# Altium PCB 三点震荡v1.PcbDoc
Units mil, origin at the board's own origin, x right, y up, seen from the top; angles counter-clockwise.
Board outline 4527.56 x 921 mil, 2 copper layers (Top Layer, Bottom Layer); 116 components, 66 nets, 306 pads, 94 vias.
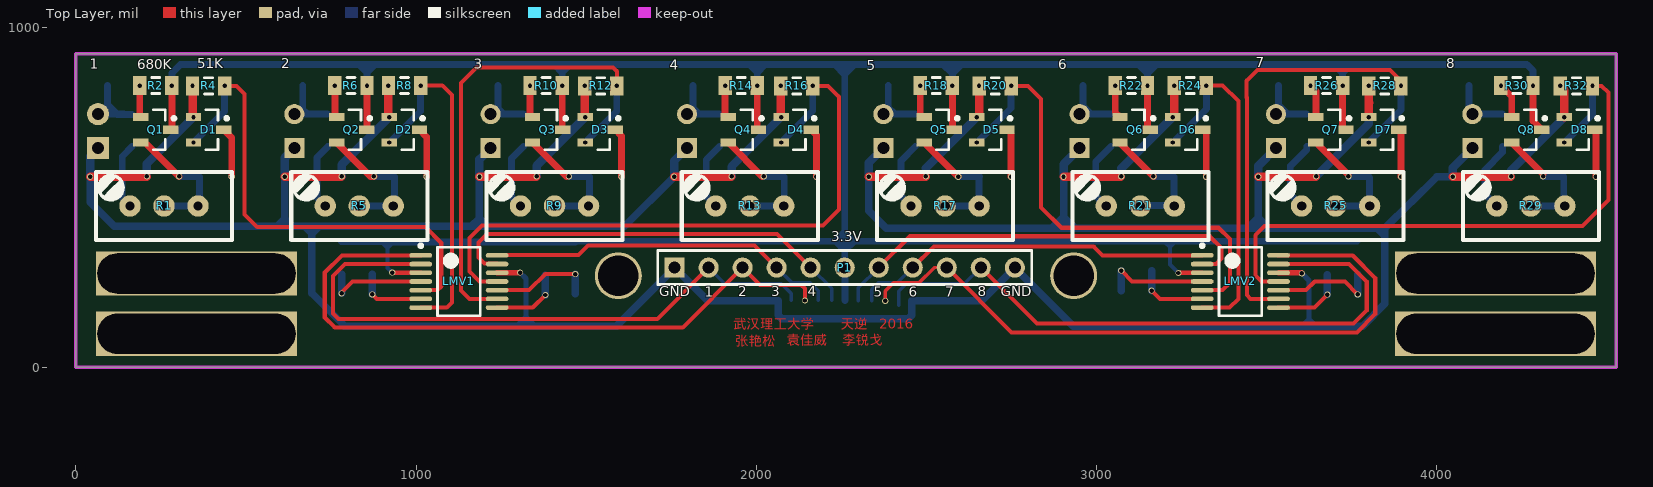
[diagram p0: Top Layer view]
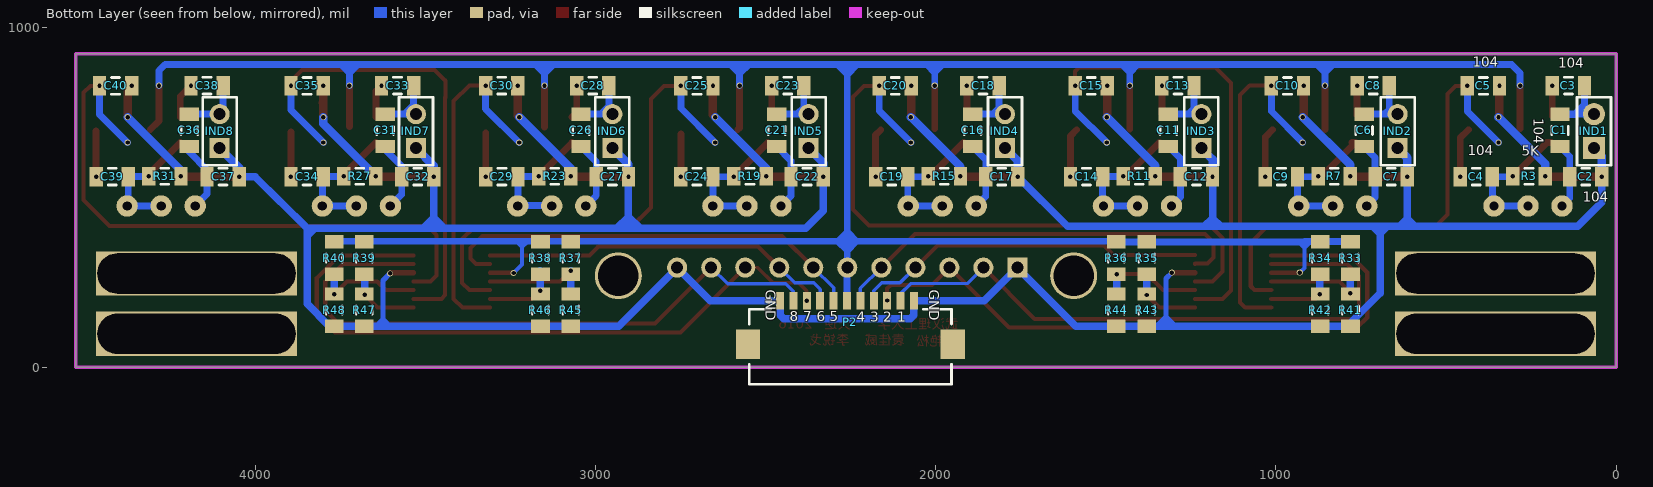
[diagram p1: Bottom Layer view, seen from below]

## Layer stack, top to bottom
Top Layer: signal copper 1.4
Dielectric: dielectric 12.6, FR-4, Dk 4.8
Bottom Layer: signal copper 1.4

## Board outline
0,0 4527.56,0 4527.56,921 0,921

## Design rules (kind name [scope] priority, off if disabled: settings)
Clearance [All] p1: gap=10
PolygonConnect [All] p1: connectstyle=Relief reliefconductorwidth=10 reliefentries=4 polygonreliefangle="90 Angle" airgapwidth=10
RoutingVias [All] p1: holewidth=28 width=50 viastyle="Through Hole" minholewidth=28 minwidth=50 maxholewidth=28 maxwidth=50
SolderMaskExpansion [All] p1: expansion=4
Width [All] p1: maxlimit=50 minlimit=6 preferedwidth=23 minimp=50.000000 maximp=50.000000 favimp=50.000000
28 further rules are at their usual default settings.

## Components (designator, comment, footprint, x,y, rotation, side; value= is the part's Value field where it differs from the comment)
C1 "Cap" C2012 165,696 r270 bottom
C2 "Cap" C2012 89,560 r180 bottom
C3 "Cap" C2012 140,828 r180 bottom
C4 "Cap" c2012 411,560 r0 bottom
C5 "Cap" c2012 390,827 r180 bottom
C6 "Cap" C2012 740.57,696 r270 bottom
C7 "Cap" C2012 661.29,560 r180 bottom
C8 "Cap" C2012 714,828 r180 bottom
C9 "Cap" C2012 983.86,560 r0 bottom
C10 "Cap" c2012 966,827 r180 bottom
C11 "Cap" C2012 1316.14,696 r270 bottom
C12 "Cap" C2012 1233.57,560 r180 bottom
C13 "Cap" C2012 1288,828 r180 bottom
C14 "Cap" C2012 1556.71,560 r0 bottom
C15 "Cap" c2012 1543,827 r180 bottom
C16 "Cap" C2012 1891.71,696 r270 bottom
C17 "Cap" C2012 1805.86,560 r180 bottom
C18 "Cap" C2012 1861,828 r180 bottom
C19 "Cap" C2012 2129.57,560 r0 bottom
C20 "Cap" c2012 2119,827 r180 bottom
C21 "Cap" C2012 2467.29,696 r270 bottom
C22 "Cap" C2012 2378.14,560 r180 bottom
C23 "Cap" C2012 2435,828 r180 bottom
C24 "Cap" C2012 2702,560 r0 bottom
C25 "Cap" c2012 2702,827 r180 bottom
C26 "Cap" C2012 3042.86,696 r270 bottom
C27 "Cap" C2012 2950.43,560 r180 bottom
C28 "Cap" C2012 3008,828 r180 bottom
C29 "Cap" C2012 3275.28,560 r0 bottom
C30 "Cap" c2012 3276,828 r180 bottom
C31 "Cap" C2012 3618.43,696 r270 bottom
C32 "Cap" C2012 3522.71,560 r180 bottom
C33 "Cap" C2012 3582,828 r180 bottom
C34 "Cap" C2012 3848.14,560 r0 bottom
C35 "Cap" c2012 3848,827 r180 bottom
C36 "Cap" C2012 4194,696 r270 bottom
C37 "Cap" C2012 4095,560 r180 bottom
C38 "Cap" C2012 4142,828 r180 bottom
C39 "Cap" C2012 4421,560 r0 bottom
C40 "Cap" c2012 4411,827 r180 bottom
D1 "Diac-NPN" SOT23_N 390,698 r0 top
D2 "Diac-NPN" SOT23_N 965.71,698 r0 top
D3 "Diac-NPN" SOT23_N 1541.43,698 r0 top
D4 "Diac-NPN" SOT23_N 2117.14,698 r0 top
D5 "Diac-NPN" SOT23_N 2692.86,698 r0 top
D6 "Diac-NPN" SOT23_N 3268.57,698 r0 top
D7 "Diac-NPN" SOT23_N 3844.29,698 r0 top
D8 "Diac-NPN" SOT23_N 4420,698 r0 top
IND1 "Header 2" HDR1X2#1 65,644 r90 bottom
IND2 "Header 2" HDR1X2#2 642.14,644 r90 bottom
IND3 "Header 2" HDR1X2#2 1219.29,644 r90 bottom
IND4 "Header 2" HDR1X2#2 1796.43,644 r90 bottom
IND5 "Header 2" HDR1X2#2 2373.57,644 r90 bottom
IND6 "Header 2" HDR1X2#2 2950.71,644 r90 bottom
IND7 "Header 2" HDR1X2#2 3527.86,644 r90 bottom
IND8 "Header 2" HDR1X2#2 4105,644 r90 bottom
LMV1 "LMV339" "LMV339 TSSOP14" 1126,252 r0 top
LMV2 "LMV339" "LMV339 TSSOP14" 3423,252 r0 top
P1 "Header 11" HDR1X11 1760,293 r0 top
P2 "Header 11" FFC/SM1.0-2H11 2251,132 r180 bottom
Q1 "NPN" SOT23_N 235,698 r0 top
Q2 "NPN" SOT23_N 810.71,698 r0 top
Q3 "NPN" SOT23_N 1386.43,698 r0 top
Q4 "NPN" SOT23_N 1962.14,698 r0 top
Q5 "NPN" SOT23_N 2537.86,698 r0 top
Q6 "NPN" SOT23_N 3113.57,698 r0 top
Q7 "NPN" SOT23_N 3689.29,698 r0 top
Q8 "NPN" SOT23_N 4265,698 r0 top
R1 "RPot" pot（长方形） 358,463 r180 top
R2 "Res2" r2012 235,828 r0 top
R3 "Res2" R2012 256,561 r0 bottom
R4 "Res2" R2012 390,827 r0 top
R5 "RPot" pot（长方形） 932,463 r180 top
R6 "Res2" R2012 808.57,828 r0 top
R7 "Res2" R2012 828.86,561 r0 bottom
R8 "Res2" R2012 966,828 r0 top
R9 "RPot" pot（长方形） 1506,463 r180 top
R10 "Res2" r2012 1382.14,828 r0 top
R11 "Res2" R2012 1401.71,561 r0 bottom
R12 "Res2" R2012 1542.86,827 r0 top
R13 "RPot" pot（长方形） 2080,463 r180 top
R14 "Res2" r2012 1955.71,828 r0 top
R15 "Res2" R2012 1974.57,561 r0 bottom
R16 "Res2" R2012 2119.29,827 r0 top
R17 "RPot" pot（长方形） 2654,463 r180 top
R18 "Res2" r2012 2529.29,828 r0 top
R19 "Res2" R2012 2546,561 r0 bottom
R20 "Res2" R2012 2702.29,827 r0 top
R21 "RPot" pot（长方形） 3228,463 r180 top
R22 "Res2" r2012 3102.86,828 r0 top
R23 "Res2" R2012 3120.29,561 r0 bottom
R24 "Res2" R2012 3275.86,828 r0 top
R25 "RPot" pot（长方形） 3802,463 r180 top
R26 "Res2" r2012 3676.43,828 r0 top
R27 "Res2" R2012 3693.14,561 r0 bottom
R28 "Res2" R2012 3847.43,827 r0 top
R29 "RPot" pot（长方形） 4376,463 r180 top
R30 "Res2" r2012 4236,828 r0 top
R31 "Res2" R2012 4266,561 r0 bottom
R32 "Res2" R2012 4411,827 r0 top
R33 "Res" R2012 781,321 r270 bottom
R34 "Res" R2012 870,321 r270 bottom
R35 "Res" R2012 1380,321 r270 bottom
R36 "Res" R2012 1469,321 r270 bottom
R37 "Res" R2012 3073,321 r270 bottom
R38 "Res" R2012 3162,321 r270 bottom
R39 "Res" R2012 3680,321 r270 bottom
R40 "Res" R2012 3768,321 r270 bottom
R41 "Res" R2012 781,168 r270 bottom
R42 "Res" R2012 870,168 r270 bottom
R43 "Res" R2012 1380,168 r270 bottom
R44 "Res" R2012 1469,168 r270 bottom
R45 "Res" R2012 3073,168 r270 bottom
R46 "Res" R2012 3162,168 r270 bottom
R47 "Res" R2012 3680,168 r270 bottom
R48 "Res" R2012 3768,168 r270 bottom

## Footprints (in the part's own frame and the unit in brackets; to place one, negate y for a bottom-side part, rotate by r counter-clockwise, add the part's x,y. Pads: shape width x height; smd on the part's side, far side on the other; paste and mask are expansions set on the pad)
C2012 [mm] "Chip Capacitor, 2-Leads, Body 2.0x1.2mm, IPC Low Density"
  rect 1x1.45 smd: 1(-1.2,0) 2(1.2,0)
  silkscreen extent -0.3,-0.63 0.3,0.63, body extent -0.98,-0.6 1.02,0.6, height 0.5
c2012 [mm] "Chip Capacitor, 2-Leads, Body 2.0x1.2mm, IPC Low Density"
  rect 1x1.45 smd: 1(-1.2,0) 2(1.2,0)
  silkscreen extent -0.3,-0.63 0.3,0.63, body extent -0.98,-0.6 1.02,0.6, height 0.5
FFC/SM1.0-2H11 [mm] "Connector; FH12 Series; 11 Position; 1.0mm Spaced Bottom Eccentric Contact"
  rect 0.6x1.3 smd: 1(-5.25,1.625) 2(-4.25,1.625) 3(-3.25,1.625) 4(-2.25,1.625) 5(-1.25,1.625) 6(-0.25,1.625) 7(0.75,1.625) 8(1.75,1.625) 9(2.75,1.625) 10(3.75,1.625) 11(4.75,1.625)
  rect 1.8x2.2 smd: 12(7.65,-1.625) 13(-7.65,-1.625)
  silkscreen extent -7.55,-4.62 7.55,1.75, body extent -7.55,-4.62 7.55,0.97, height 2
HDR1X2#1 [mil] "Connector; Header; 2 Position"
  rect 65x65 hole 35.43: 1(0,0)
  round 65 hole 35.43: 2(100,0)
  silkscreen extent -50,-50 150,50, body extent -50,-50 150,50, height 298
HDR1X2#2 [mil] "Connector; Header; 2 Position"
  rect 59.06x59.06 hole 35.43: 1(0,0)
  round 59.06 hole 35.43: 2(100,0)
  silkscreen extent -50,-50 150,50, body extent -50,-50 150,50, height 298
HDR1X11 [mm] "Connector; Header; 11 Position"
  rect 1.5x1.5 hole 0.9: 1(0,0)
  round 1.5 hole 0.9: 2(2.54,0) 3(5.08,0) 4(7.62,0) 5(10.16,0) 6(12.7,0) 7(15.24,0) 8(17.78,0) 9(20.32,0) 10(22.86,0) 11(25.4,0)
  silkscreen extent -1.27,-1.27 26.67,1.27, body extent -1.27,-1.27 26.67,1.27, height 7.58
"LMV339 TSSOP14" [mm] "TSOP, 14-Leads, Body 5.00x4.40mm, Pitch 0.65mm, IPC Medium Density"
  oval 1.7x0.35 smd: 1(-2.85,1.95) 2(-2.85,1.3) 3(-2.85,0.65) 4(-2.85,0) 5(-2.85,-0.65) 6(-2.85,-1.3) 7(-2.85,-1.95) 8(2.85,-1.95) 9(2.85,-1.3) 10(2.85,-0.65) 11(2.85,0) 12(2.85,0.65) 13(2.85,1.3) 14(2.85,1.95)
  silkscreen extent -2.97,-2.55 1.6,2.8, body extent -2.25,-2.55 2.25,2.55, height 1.2
pot（长方形） [mm]
  round 1.6 hole 0.7: 1(5.055,-0.279) 2(2.515,-0.279) 3(-0.025,-0.279)
  silkscreen extent -2.57,-2.82 7.59,2.26
r2012 [mm] "Chip Resistor, 2-Leads, Body 2.0x1.2mm, IPC Low Density"
  rect 1x1.4 smd: 1(-1.2,0) 2(1.2,0)
  silkscreen extent -0.3,-0.6 0.3,0.6, body extent -0.98,-0.6 1.02,0.6, height 0.5
R2012 [mm] "Chip Resistor, 2-Leads, Body 2.0x1.2mm, IPC Low Density"
  rect 1x1.4 smd: 1(-1.2,0) 2(1.2,0)
  silkscreen extent -0.3,-0.6 0.3,0.6, body extent -0.98,-0.6 1.02,0.6, height 0.5
SOT23_N [mm] "SOT23, 3-Leads, Body 2.9x1.3mm, Pitch 0.95mm, Lead Span 2.3mm - Reverse Pinning, IPC Medium Density"
  rect 1.15x0.6 smd: 1(1.125,0) 2(-1.125,-0.95) 3(-1.125,0.95)
  silkscreen extent -0.2,-1.5 1.48,1.5, body extent -0.7,-1.5 0.7,1.5, height 1.1

## Part data
C1 C2 C3 C4 C5 C6 C7 C8 C9 C10 C11 C12 C13 C14 C15 C16 C17 C18 C19 C20 C21 C22 C23 C24 C25 C26 C27 C28 C29 C30 C31 C32 C33 C34 C35 C36 C37 C38 C39 C40: "Capacitor"
D1 D2 D3 D4 D5 D6 D7 D8: "DIAC"
IND1 IND2 IND3 IND4 IND5 IND6 IND7 IND8: "Header, 2-Pin"
P1 P2: "Header, 11-Pin"
Q1 Q2 Q3 Q4 Q5 Q6 Q7 Q8: "NPN Bipolar Transistor"
R1 R5 R9 R13 R17 R21 R25 R29: "Potentiometer"
R2 R3 R4 R6 R7 R8 R10 R11 R12 R14 R15 R16 R18 R19 R20 R22 R23 R24 R26 R27 R28 R30 R31 R32: "Resistor"
R33 R34 R35 R36 R37 R38 R39 R40 R41 R42 R43 R44 R45 R46 R47 R48: "贴片电阻"

## Free pads (board coordinates)
  rect 590.55x129.92 hole 118.11 slot 582.68 at 0 deg: 0(354.33,98.43) 0(354.33,275.59) 0(4173.23,98.43) 0(4173.23,275.59)
  round 137.8 hole 118.11: 0(1594.49,269) 1(2933.07,269)

## Via types
v1: diameter 18, hole 13, Top Layer to Bottom Layer, 94 vias

## Nets (pads, with @x,y where several pads share a name; then routed paths per layer and width w, separated by ;. In a path a pad name is that pad's centre, name@x,y a point inside that pad or via, vN(x,y) a via of type N, cw(c..) or ccw(c..) an arc to the next point about the centre after c; other vN are vias at no path point)
BASE1: C3.1 Q1.3 R2.1 | length 89.6
  Top Layer w20: Q1.3@187.76,738.35 v1(187.76,828)
BASE2: C8.1 Q2.3 R6.1 | length 87.5
  Top Layer w20: Q2.3@761.33,740.5 v1(761.33,828)
BASE3: C13.1 Q3.3 R10.1 | length 85.4
  Top Layer w20: Q3.3@1334.9,742.64 v1(1334.9,828)
BASE4: C18.1 Q4.3 R14.1 | length 83.2
  Top Layer w20: Q4.3@1908.47,744.78 v1(1908.47,828)
BASE5: C23.1 Q5.3 R18.1 | length 81.3
  Top Layer w20: Q5.3@2482.24,746.72 v1(2482.24,828)
BASE6: C28.1 Q6.3 R22.1 | length 98.4
  Top Layer w20: v1(3055.24,828) 3055.24,749.44 Q6.3
BASE7: C33.1 Q7.3 R26.1 | length 76.8
  Top Layer w20: Q7.3 R26.1@3644.99,812.25
  other v1: 3629.24,828
BASE8: C38.1 Q8.3 R30.1 | length 105.6
  Top Layer w20: v1(4189.24,828) 4220.71,796.54 Q8.3
EMITTER1: C4.1 Q1.2 R1.2 R1.3 R3.2 | length 401.3
  Top Layer w20: Q1.2 203.65,660.6 v1(303.24,561)
  Bottom Layer w20: R1.2 R1.3 363.76,478.76 C4.1 R3.2@304.24,560
EMITTER2: C9.1 Q2.2 R5.2 R5.3 R7.2 | length 408
  Top Layer w20: Q2.2@776.5,660.6 Q2.2 866.02,561 v1(876.1,561)
  Bottom Layer w20: R5.2 R5.3 936.61,477.61 C9.1 R7.2@877.1,560
EMITTER3: C14.1 Q3.2 R9.2 R9.3 R11.2 | length 387.4
  Top Layer w20: Q3.2 v1@1441.74,561
  Bottom Layer w20: R9.2 R9.3 1509.47,476.47 C14.1 ; v1(1448.96,561) C14.1@1508.47,561
EMITTER4: C19.1 Q4.2 R13.2 R13.3 R15.2 | length 386.9
  Top Layer w20: Q4.2 v1@2017.45,561
  Bottom Layer w20: R13.2 R13.3 2082.33,475.33 C19.1 R15.2@2022.82,560
  other v1: 2021.82,561
EMITTER5: C24.1 Q5.2 R17.2 R17.3 R19.2 | length 390.2
  Top Layer w20: Q5.2 v1@2593.69,560.48
  Bottom Layer w20: R17.2 R17.3 2655,559.82 C24.1@2656.17,560.98 ; v1(2593.69,560.02) C24.1
EMITTER6: C29.1 Q6.2 R21.2 R21.3 R23.2 | length 382.9
  Top Layer w20: Q6.2 3069.28,659.25 v1(3167.53,561)
  Bottom Layer w20: R21.2@3129.96,474.96 3228.04,474.96 C29.1 ; v1(3167.53,561) C29.1@3227.04,561
EMITTER7: C34.1 Q7.2 R25.2 R25.3 R27.2 | length 382.7
  Top Layer w20: Q7.2 v1@3740.39,565.21
  Bottom Layer w20: R25.2 R25.3 3803,557.9 C34.1 3799.9,561 v1(3740.39,561)
EMITTER8: C39.1 Q8.2 R29.2 R29.3 R31.2 | length 373.1
  Top Layer w20: Q8.2 v1@4313.24,568.06
  Bottom Layer w20: R29.2 R29.3 ; v1(4313.24,561) C39.1@4372.75,561 ; R29.3@4373.75,477.25 C39.1
GND: C2.2 C5.2 C7.2 C10.2 C12.2 C15.2 C17.2 C20.2 C22.2 C25.2 C27.2 C30.2 C32.2 C35.2 C37.2 C40.2 D1.3 D2.3 D3.3 D4.3 D5.3 D6.3 D7.3 D8.3 IND1.1 IND2.1 IND3.1 IND4.1 IND5.1 IND6.1 IND7.1 IND8.1 LMV1.12 LMV2.12 P1.1 P1.11 P2.1 P2.11 R3.1 R4.1 R7.1 R8.1 R11.1 R12.1 R15.1 R16.1 R19.1 R20.1 R23.1 R24.1 R27.1 R28.1 R31.1 R32.1 R41.2 R42.2 R43.2 R44.2 R45.2 R46.2 R47.2 R48.2 | length 13998.3
  Top Layer w15: LMV1.12 v1@1305.59,277.59 ; LMV2.12 v1@3604,277.59
  Top Layer w25: v1(41.76,560) v1@207.76,560 ; D1.3@342.76,738.35 v1(342.76,827) ; v1(614.04,560) v1@780.61,560 ; D2.3@918.76,738.07 v1(918.76,828) ; v1(1186.33,560) v1@1353.47,560 ; D3.3@1495.61,736.93 v1(1495.61,827) ; v1(1758.61,560) v1@1926.33,560 ; D4.3@2071.76,736.5 v1(2071.76,827) ; v1(2330.9,560) v1@2497.76,560 ; D5.3@2654.76,741.59 v1(2654.76,827) ; v1(2903.18,560) v1@3072.04,560 ; D6.3@3228.76,739.88 v1(3228.76,828) ; v1(3475.47,560) v1@3644.9,560 ; D7.3@3800.76,736.16 3800.76,778 ; v1(3800.76,827) 3800.76,778 ; 3801.81,776.94 3800.76,778 ; v1(4047.76,560) v1@4217.76,560 ; v1(4363.76,827) 4375.71,815.05 v1(4375.71,735.4)
  Bottom Layer w15: 1296.09,121.09 1323,148 ; v1(1306,278) 1323,261 1323,148 ; 1323,121 1323,148 ; 1348.5,122.5 1323,148 ; v1(3604,276) 3625,255 3625,141 ; 3605,121 3625,141 ; 3625,125 3625,141 ; 3644,122 3625,141
  Bottom Layer w22: v1(41.76,560) 41.76,485.24 113,414 592.04,414 ; 614.04,423 614.04,436 ; v1(614.04,560) 614.04,436 ; 1186.33,421.5 1186.33,438 ; v1(1186.33,560) 1186.33,438 ; 1296,121 1323,121 1588,121 P1.1 1857.02,195.98 P2.11 2063.99,153.01 2075,142 2447,142 2457.69,152.69 P2.1 2662.98,195.98 P1.11 2932,121 3605,121 3783,121 3848,186 3848,387 ; 1296.09,121.09 790.67,121.09 694,217.76 694,392 ; v1(1758.61,560) 1612.61,414 1210.33,414 ; v1(2330.9,560) 2330.9,460.1 2382.07,408.93 2869,408.93 ; 2903.18,410.11 2903.18,443.11 ; v1(2903.18,560) 2903.18,443.11 ; 3475.47,409.46 3475.47,439.4 ; v1(3475.47,560) 3475.47,439.4 ; v1(4047.76,560) 4001,560 3848,408.93 ; 592.04,414 636.04,414 ; 592.04,414 614.04,436 ; 614.04,436 636.04,414 ; 636.04,414 672,414 ; 672,414 694,414 ; 672,414 694,392 ; 694,392 716,414 ; 694,392 694,414 ; 694,414 716,414 ; 716,414 1162.33,414 ; 1162.33,414 1210.33,414 ; 1162.33,414 1186.33,438 ; 1186.33,438 1210.33,414 ; 2869,408.93 2937.37,408.93 ; 2869,408.93 2903.18,443.11 ; 2903.18,443.11 2937.37,408.93 ; 2937.37,408.93 3445,408.93 ; 3445,408.93 3505.94,408.93 ; 3445,408.93 3475.47,439.4 ; 3475.47,439.4 3505.94,408.93 ; 3505.94,408.93 3826.07,408.93 ; 3826.07,408.93 3848,408.93 ; 3826.07,408.93 3848,387 ; 3848,387 3848,408.93
  Bottom Layer w25: v1(41.76,560) 41.76,620.76 IND1.1 ; v1(208.76,561) 208.76,598.45 v1(345.71,735.4) ; v1(614.04,560) 614.04,615.9 IND2.1 ; v1(781.61,561) 781.61,595.59 v1(921.42,735.4) ; v1(1186.33,560) 1186.33,611.04 IND3.1 ; v1(1354.47,561) 1354.47,592.73 v1(1497.14,735.4) ; v1(1758.61,560) 1758.61,606.18 IND4.1 ; v1(1927.33,561) 1927.33,589.88 v1(2072.85,735.4) ; v1(2330.9,560) 2330.9,601.33 IND5.1 ; R19.1@2498.76,585.59 v1(2648.57,735.4) ; v1(2903.18,560) 2903.18,596.47 IND6.1 ; R23.1@3073.04,584.16 v1(3224.28,735.4) ; v1(3475.47,560) 3475.47,591.61 IND7.1 ; v1(3645.9,561) 3799.99,715.1 v1(3799.99,735.4) ; v1(4047.76,560) 4047.76,586.76 IND8.1 ; R31.1@4218.76,578.45 v1(4375.71,735.4)
  other v1: 2498.76,561 3073.04,561 4218.76,561
IN1: C5.1 D1.2 LMV1.5 R4.2 | length 1431.8
  Top Layer w12: v1(437.24,827) 472,827 496,803 496,449 533,412 1027,412 1074,365 1074,238 1062.41,226.41 LMV1.5
  Bottom Layer w20: v1(345.71,660.6) 437.24,752.13 v1(437.24,827)
IN2: C10.1 D2.2 LMV1.7 R8.2 | length 1016.1
  Top Layer w12: v1(1013.24,828) 1077,828 1105,800 1105,190 1090.23,175.23 LMV1.7
  Bottom Layer w20: v1(921.42,660.6) 1013.24,752.42 C10.1 v1(1013.24,828)
IN3: C15.1 D3.2 LMV1.9 R12.2 | length 1455.8
  Top Layer w12: LMV1.9 1157.18,200.82 1132,226 1132,836 1177,881 1579,881 1590.1,869.9 v1(1590.1,827)
  Bottom Layer w20: v1(1497.14,660.6) 1590.1,753.56 v1(1590.1,827)
IN4: C20.1 D4.2 LMV1.11 R16.2 | length 1939.1
  Top Layer w12: LMV1.11 1186,252 1157,281 1157,380 1194,417 2196,417 2243,464 2243,795 2211,827 R16.2 v1(2166.24,827)
  Bottom Layer w20: v1(2072.85,660.6) 2166.24,753.99 v1(2166.24,827)
IN5: C25.1 D5.2 LMV2.5 R20.2 | length 1443.3
  Top Layer w12: v1(2749.24,827) R20.2 2799,827 2837,789 2837,470 2897,410 3359,410 3392,377 3392,248 3370.41,226.41 LMV2.5
  Bottom Layer w20: v1(2648.57,660.6) 2749.24,761.28 v1(2749.24,827)
IN6: C30.1 D6.2 LMV2.7 R24.2 | length 1019.1
  Top Layer w12: LMV2.7 3391.23,175.23 3417,201 3417,782 3371,828 v1(3323.24,828)
  Bottom Layer w20: v1(3224.28,660.6) 3323.24,759.56 v1(3323.24,828)
IN7: C35.1 D7.2 LMV2.9 R28.2 | length 1429.7
  Top Layer w12: LMV2.9 3453.18,200.82 3442,212 3442,792.36 3441,793.36 3441,842 3473,874 3863,874 3895.24,841.76 v1(3895.24,827)
  Bottom Layer w20: v1(3799.99,660.6) 3895.24,755.85 v1(3895.24,827)
IN8: C40.1 D8.2 LMV2.11 R32.2 | length 1846
  Top Layer w12: LMV2.11 3485,252 3467,270 3467,388 3494,415 4429,415 4505.06,491.06 4505.06,806.94 4485,827 v1(4458.24,827)
  Bottom Layer w20: v1(4375.71,660.6) 4458.24,743.13 v1(4458.24,827)
IN-1: LMV1.4 R33.2 R41.1 | length 316.7
  Top Layer w12: v1@779.38,218.62 812.76,252 LMV1.4
  Bottom Layer w22: R41.1@781,227 783,225 781,223 v1(781,217) R33.2
IN-2: LMV1.6 R34.2 R42.1 | length 206.9
  Top Layer w12: v1(871,214.24) 884.43,200.82 LMV1.6
  Bottom Layer w22: v1(871,214.24) R34.2@871,272.76
IN-3: LMV1.8 R35.2 R43.1 | length 215.6
  Top Layer w12: LMV1.8 1342.98,175.23 v1(1380,212.24)
  Bottom Layer w22: v1(1380,212.24) R35.2@1380,270.76
IN-4: LMV1.10 R36.2 R44.1 | length 307.9
  Top Layer w12: LMV1.10 1332.41,226.41 1379.76,273.76 v1(1468,273.76)
  Bottom Layer w22: R44.1@1468,215.24 v1(1468,273.76)
IN-5: LMV2.4 R37.2 R45.1 | length 309.5
  Top Layer w12: v1(3073,283.76) 3104.76,252 LMV2.4
  Bottom Layer w22: R45.1@3073,225.24 v1(3073,283.76)
IN-6: LMV2.6 R38.2 R46.1 | length 217.4
  Top Layer w12: v1(3162,225.24) 3186.43,200.82 LMV2.6
  Bottom Layer w22: v1(3162,225.24) R38.2@3162,283.76
IN-7: LMV2.8 R39.2 R47.1 | length 218.1
  Top Layer w12: LMV2.8 3640.98,175.23 v1(3679,213.24)
  Bottom Layer w22: v1(3679,213.24) R39.2@3679,271.76
IN-8: LMV2.10 R40.2 R48.1 | length 317.3
  Top Layer w12: LMV2.10 3616.41,226.41 3641.74,251.74 3730.5,251.74 v1(3768,214.24)
  Bottom Layer w22: v1(3768,214.24) R40.2@3768,272.76
NetC1_1: C1.1 C3.2 IND1.2 | length 216.5
  Bottom Layer w20: IND1.2 120.51,744 ; C3.2 92.76,771.76 120.51,744 ; C1.1@141.24,744 120.51,744 ; C1.1 121.27,743.24 120.51,744
NetC1_2: C1.2 C2.1 R1.1 | length 196.1
  Bottom Layer w20: R1.1 136.24,496.76 C2.1 136.24,620 C1.2
NetC4_2: C4.2 D1.1 | length 147.9
  Top Layer w20: D1.1 458.24,674.05 v1(458.24,560)
NetC6_1: C6.1 C8.2 IND2.2 | length 187.6
  Bottom Layer w20: IND2.2 681,744 ; C8.2 666.76,758.24 681,744 ; C6.1@739.82,744 681,744
NetC6_2: C6.2 C7.1 R5.1 | length 198.2
  Bottom Layer w20: R5.1 708.53,498.47 C7.1 708.53,616.71 C6.2
NetC9_2: C9.2 D2.1 | length 146.7
  Top Layer w20: D2.1 1031.1,676.9 v1(1031.1,560)
NetC11_1: C11.1 C13.2 IND3.2 | length 185.8
  Bottom Layer w20: IND3.2 C11.1@1315.39,744 ; C13.2 1240.76,761.24 1257,745
NetC11_2: C11.2 C12.1 R9.1 | length 200.2
  Bottom Layer w20: R9.1 1280.82,500.18 C12.1 1280.82,613.43 C11.2
NetC14_2: C14.2 D3.1 | length 145.6
  Top Layer w20: D3.1 1603.96,679.76 v1(1603.96,560)
NetC16_1: C16.1 C18.2 IND4.2 | length 185.7
  Bottom Layer w20: IND4.2 1831.08,744 ; C18.2 1813.76,761.33 1831.08,744 ; C16.1@1890.96,744 1831.08,744
NetC16_2: C16.2 C17.1 R13.1 | length 202.3
  Bottom Layer w20: R13.1 1853.1,501.9 C17.1 1853.1,610.14 C16.2
NetC19_2: C19.2 D4.1 | length 144.4
  Top Layer w20: D4.1 2176.82,682.62 v1(2176.82,560)
NetC21_1: C21.1 C23.2 IND5.2 | length 185.3
  Bottom Layer w20: IND5.2 2408,744 ; C23.2 2387.76,764.24 2408,744 ; C21.1@2466.53,744 2408,744
NetC21_2: C21.2 C22.1 R17.1 | length 204.4
  Bottom Layer w20: R17.1 2425.39,503.61 C22.1 2425.39,606.86 C21.2
NetC24_2: C24.2 D5.1 | length 125.9
  Top Layer w20: v1(2749.24,560) 2749.24,685.9
NetC26_1: C26.1 C28.2 IND6.2 | length 185
  Bottom Layer w20: IND6.2 2984,744 ; C28.2 2960.76,767.24 2984,744 ; C26.1@3042.1,744 2984,744
NetC26_2: C26.2 C27.1 R21.1 | length 206.4
  Bottom Layer w20: R21.1 2997.67,505.33 C27.1 2997.67,603.57 C26.2
NetC29_2: C29.2 D6.1 | length 128.3
  Top Layer w20: v1(3322.53,560) D6.1@3322.53,688.33
NetC31_1: C31.1 C33.2 IND7.2 | length 184.7
  Bottom Layer w20: IND7.2 3561,744 ; C33.2 3534.76,770.24 3561,744 ; C31.1@3617.67,744 3561,744
NetC31_2: C31.2 C32.1 R25.1 | length 208.5
  Bottom Layer w20: R25.1 3569.96,507.04 C32.1 3569.96,591.96 3618.43,640.43 C31.2
NetC34_2: C34.2 D7.1 | length 131.2
  Top Layer w20: v1(3895.39,560) D7.1@3895.39,691.19
NetC36_1: C36.1 C38.2 IND8.2 | length 162
  Bottom Layer w20: IND8.2@4094.76,754.24 C38.2 ; IND8.2 C36.1@4193.24,744
NetC36_2: C36.2 C37.1 R29.1 | length 190.3
  Bottom Layer w20: C37.1 4142.24,508.76 R29.1 ; C37.1@4142.24,580.24 4194,632 C36.2
NetC39_2: C39.2 D8.1 | length 134
  Top Layer w20: v1(4468.24,560) D8.1@4468.24,694.05
OUT1: LMV1.2 P1.2 P2.10 | length 1851.4
  Top Layer w12: LMV1.2 791.54,303.18 756,267.64 756,157.36 771.36,142 1709,142 P1.2
  Bottom Layer w10: P1.2 1907,246 2074,246 2103.36,216.64 P2.10
OUT2: LMV1.1 P1.3 P2.9 | length 1992.4
  Top Layer w12: LMV1.1 781.77,328.77 731.5,278.5 731.5,146.5 761,117 1784,117 P1.3 2011,242 2132,242 2143,231 v1(2143,196)
OUT3: LMV1.14 P1.4 P2.8 | length 1039.8
  Top Layer w12: LMV1.14@1238.2,329.38 1477.38,329.38 1506,358 1995,358 P1.4
  Bottom Layer w10: P1.4 2105,248 2159,248 2182.1,224.9 P2.8
OUT4: LMV1.13 P1.5 P2.7 | length 1256.9
  Top Layer w12: LMV1.13 1237,304.38 1201.53,304.38 1184,321.91 1184,367 1209,392 2061,392 P1.5
  Bottom Layer w10: P1.5 2221.47,231.53 P2.7
OUT5: LMV2.2 P1.7 P2.5 | length 1276.7
  Top Layer w12: P1.7 2452,385 3333,385 3367,351 3367,319 3351.18,303.18 LMV2.2
  Bottom Layer w10: P2.5@2300.21,194.98 2300.21,233.21 P1.7
OUT6: LMV2.1 P1.8 P2.4 | length 1068
  Top Layer w12: P1.8 2522,355 2992,355 3018.23,328.77 LMV2.1
  Bottom Layer w10: P2.4@2339.58,194.98 2339.58,228.58 2359,248 2415,248 P1.8
OUT7: LMV2.14 P1.9 P2.3 | length 2028.5
  Top Layer w10: v1(2379,195) 2379,224 2403.47,248.47 2478.44,248.47 2522.97,293 P1.9
  Top Layer w12: P1.9 2750.59,102.41 3765.76,102.41 3819.5,156.14 3819.5,262.69 3753.42,328.77 LMV2.14
  Bottom Layer w10: v1(2379,195) P2.3 P2.3@2378.95,205.95
OUT8: LMV2.13 P1.10 P2.2 | length 1896.2
  Top Layer w12: P1.10 2825,128 3756,128 3794.5,166.5 3794.5,251.5 3742.82,303.18 LMV2.13
  Bottom Layer w10: P2.2@2418.32,181.98 P2.2 2418.32,223.04 2440.28,245 2612,245 P1.10
VCC: LMV1.3 LMV2.3 P1.6 P2.6 Q1.1 Q2.1 Q3.1 Q4.1 Q5.1 Q6.1 Q7.1 Q8.1 R2.2 R6.2 R10.2 R14.2 R18.2 R22.2 R26.2 R30.2 R33.1 R34.1 R35.1 R36.1 R37.1 R38.1 R39.1 R40.1 | length 10280.9
  Top Layer w12: v1@930.41,277.59 LMV1.3 ; v1@3241.59,277.59 LMV2.3
  Top Layer w20: Q1.1@282.24,700.95 v1(282.24,828) ; Q2.1@855.82,698.81 v1(855.82,828) ; Q3.1@1429.39,699.33 v1(1429.39,828) ; Q4.1@2002.96,701.48 v1(2002.96,828) ; v1(2576.53,828) 2576.53,703.62 Q5.1 ; Q6.1@3150.1,705.76 v1(3150.1,828) ; Q7.1@3723.67,707.9 v1(3723.67,828) ; v1(4283.24,828) 4283.24,724.05 Q8.1
  Bottom Layer w12: 897.76,368.24 916,350 ; 916,370 916,369.24 916,350 ; v1(930,278) 916,292 916,350 ; 932,366 916,350 ; P2.6@2260.84,194.98 P2.6 ; 3199,370 3216,353 ; 3216,370 3216,353 ; 3233,370 3216,353 ; v1(3241,277) 3216,302 3216,353
  Bottom Layer w20: v1(282.24,828) 282.24,865.24 307,890 831.82,890 ; R33.1@780,369.24 916,369.24 ; v1(855.82,828) 855.82,866 ; 855.82,888.82 855.82,866 ; 917.76,368.24 R35.1 R36.1 ; v1(1429.39,828) 1429.39,867 ; 1429.39,887.61 1429.39,867 ; R36.1@1460.76,370 2233,370 ; v1(2002.96,828) 2002.96,867 ; 2002.96,886.96 2002.96,867 ; 2234,369 2260,343 ; P1.6 2260,343 ; P2.6 P1.6@2260.84,292.16 ; v1(2576.53,828) 2576.53,863 ; 2576.53,886.47 2576.53,863 ; v1(3150.1,828) 3150.1,863 ; 3150.1,889.9 3150.1,863 ; v1(3723.67,828) 3723.67,865 ; 3723.67,889.67 3723.67,865 ; R40.1@3766.24,370 3233,370 3216,370 3199,370 2287,370 ; v1(4283.24,828) 4283.24,871.76 4265,890 3748.67,890 ; 831.82,890 855.82,866 ; 831.82,890 879.82,890 ; 855.82,866 879.82,890 ; 879.82,890 1406.39,890 ; 1406.39,890 1429.39,867 ; 1406.39,890 1452.39,890 ; 1429.39,867 1452.39,890 ; 1452.39,890 1979.96,890 ; 1979.96,890 2002.96,867 ; 1979.96,890 2025.96,890 ; 2002.96,867 2025.96,890 ; 2025.96,890 2231,890 ; 2231,890 2260,861 ; 2231,890 2262,890 ; 2233,370 2260,370 ; 2233,370 2260,397 ; 2260,343 2260,370 ; 2260,343 2287,370 ; 2260,370 2287,370 ; 2260,370 2260,397 ; 2260,397 2260,861 ; 2260,397 2287,370 ; 2260,861 2289,890 ; 2260,861 2260,888 2262,890 ; 2262,890 2289,890 ; 2289,890 2549.53,890 ; 2549.53,890 2576.53,863 ; 2549.53,890 2603.53,890 ; 2576.53,863 2603.53,890 ; 2603.53,890 3123.1,890 ; 3123.1,890 3150.1,863 ; 3123.1,890 3177.1,890 ; 3150.1,863 3177.1,890 ; 3177.1,890 3698.67,890 ; 3698.67,890 3723.67,865 ; 3698.67,890 3748.67,890 ; 3723.67,865 3748.67,890
pads on no net: P2.12 P2.13

## Keep-outs
Keep-Out Layer:
  the board outline again, w10

## Other copper
Top Layer:
  text "武汉理工大学" at 1932,103 h50
  text "天逆" at 2249,103 h50
  text "2016" at 2362,103 h50
  text "袁佳威" at 2090,56 h50
  text "李锐戈" at 2253,56 h50
  text "张艳松" at 1938,53 h50

## Silkscreen, mask and mechanical layers (free items; w line width, h text height)
Top Overlay:
  text "7" at 3469,871 h50
  text "51K" at 357,869 h50
  text "2" at 603,869 h50
  text "8" at 4029,869 h50
  text "1" at 40,867 h50
  text "3" at 1170,867 h50
  text "680K" at 181,866 h50
  text "6" at 2887,866 h50
  text "4" at 1745,864 h50
  text "5" at 2325,862 h50
  text "3.3V" at 2221,360 h50
  text "GND" at 2719,199 h50
  text "GND" at 1715,198 h50
  text "2" at 1947,198 h50
  text "3" at 2044,198 h50
  text "4" at 2152,198 h50
  text "8" at 2651,198 h50
  text "1" at 1849,197 h50
  text "5" at 2346,197 h50
  text "6" at 2448,197 h50
  text "7" at 2556,197 h50
Bottom Overlay:
  text "104" at 421,873 h50
  text "104" at 170,870 h50
  text "104" at 252,732 h50 r90
  text "104" at 436,613 h50
  text "5K" at 278,611 h50
  text "104" at 98,476 h50
  text "GND" at 2030,227 h50 r90
  text "GND" at 2510,227 h50 r90
  text "5" at 2311,125 h50
  text "6" at 2350,125 h50
  text "7" at 2389,125 h50
  text "8" at 2429,125 h50
  text "2" at 2155,124 h50
  text "3" at 2192,124 h50
  text "4" at 2232,124 h50
  text "1" at 2113,123 h50